# Allegro board HB1A-AAFM.brd (continued)
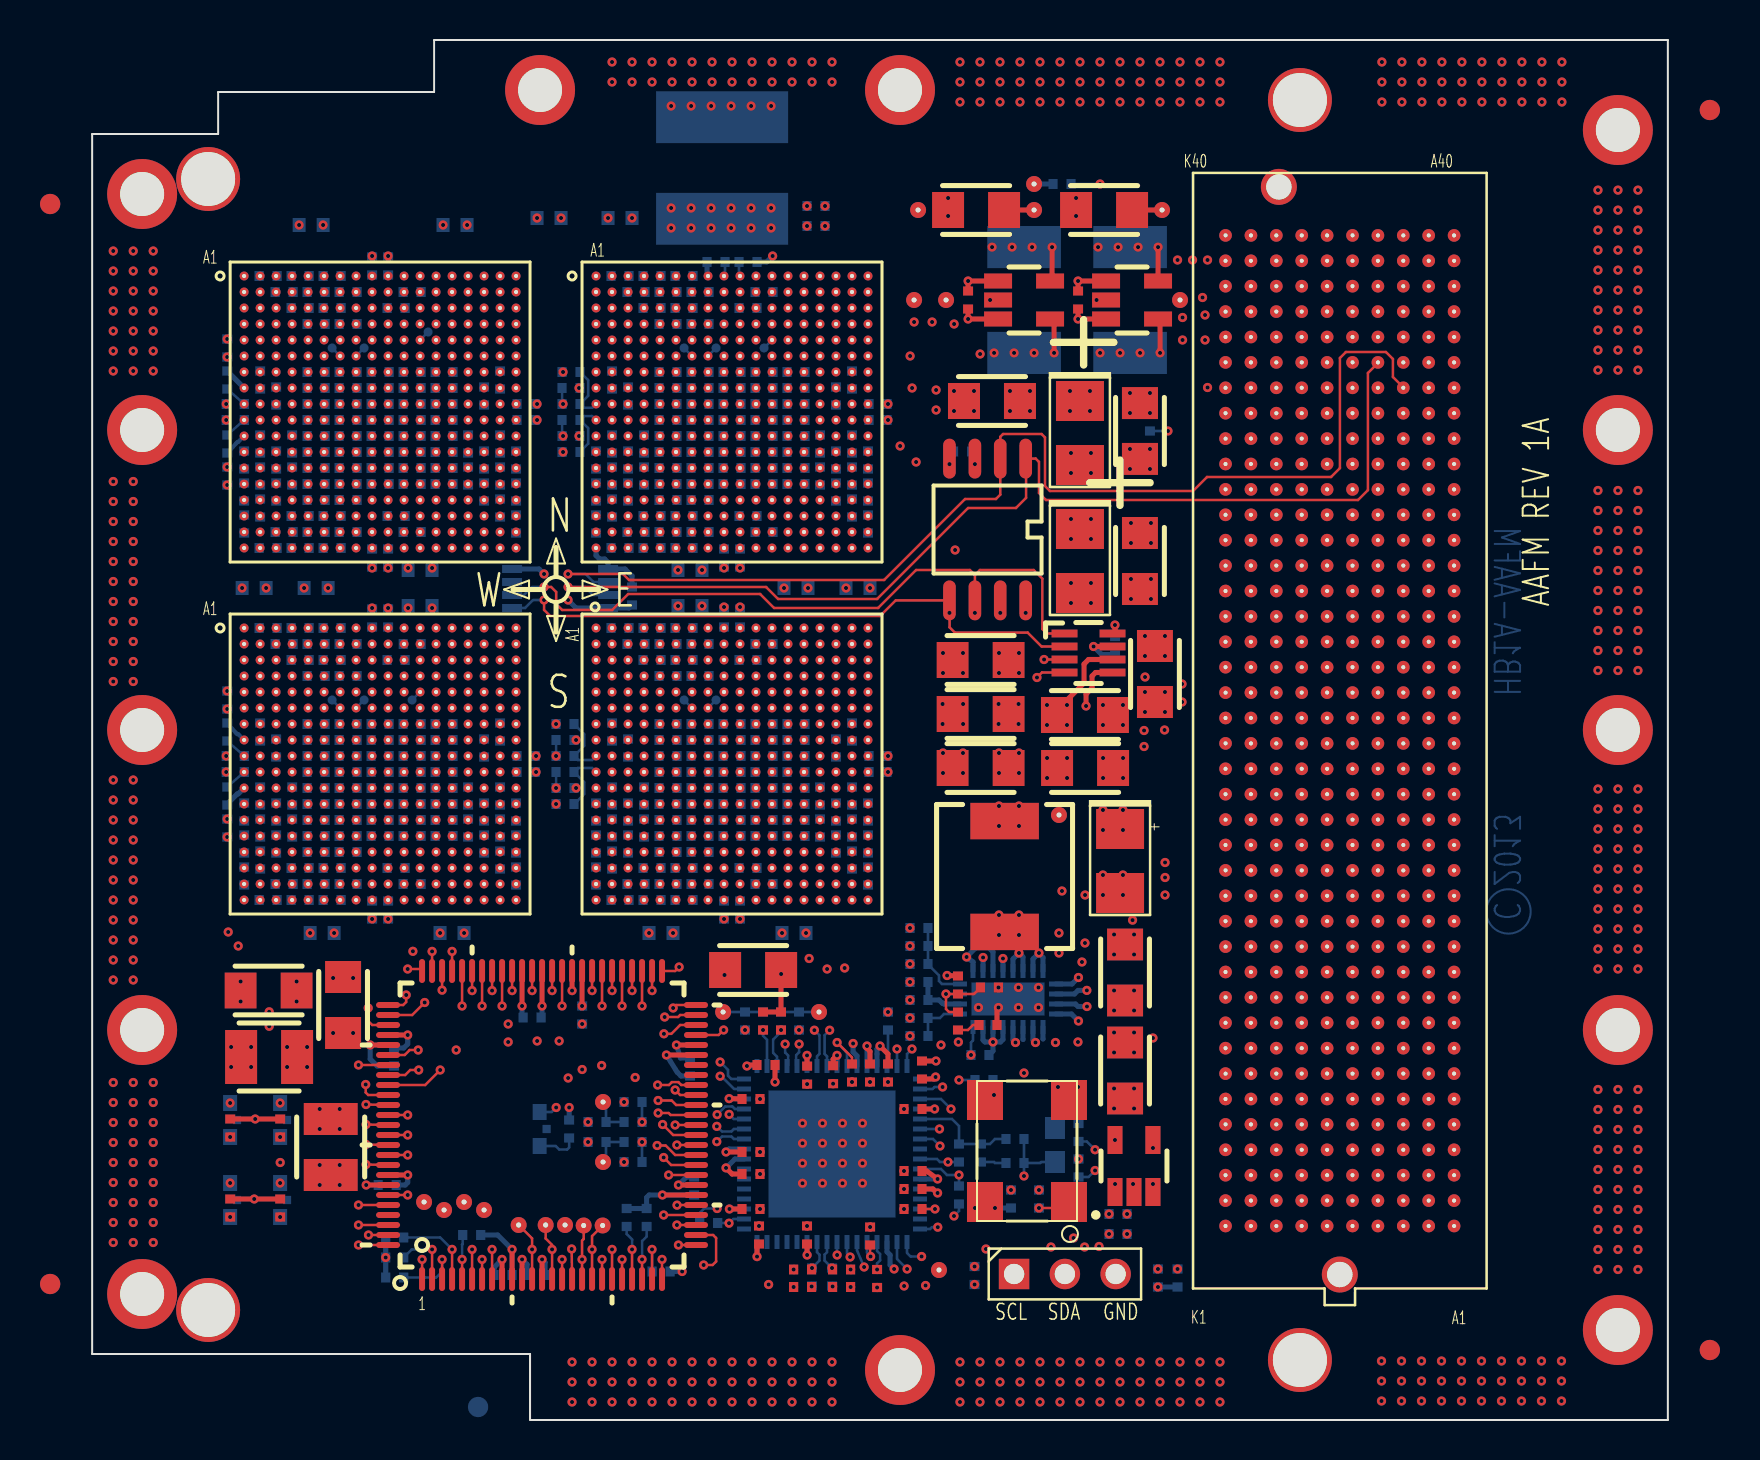
[diagram p0: board, top side]
## Routing (per net, layer and track width the routed paths; a pad name or vN(x,y) marks a point on that pad's centre or on a via; arc(x,y) is an arc through that point) (continued)
  SIGNAL_L15-X w0.114: U4.E4 27.2,53.6 25.8,53.6 25.6,53.4 25.6,46.6 25.4,46.4 25,46.4 24.8,46.6 24.8,51.8 24.6,52 24.1,52 23.94,51.84 23.94,48 24.15,47.79 24.15,44.1 23.58,43.52 22.81,43.52 22.17,44.17 22.17,45.63 21.8,46 U3.R18
UR_UL_WE_DATA_P_5: length 29
  SIGNAL_L15-X w0.114: U4.D3 26.4,54.4 24.9,54.4 24.58,54.08 24.58,53.2 24.4,53.02 23.98,53.02 23.84,53.16 23.84,53.4 24.14,53.71 24.14,56.96 23.7,57.4 23.35,57.4 22.82,56.87 22.82,53.42 22.62,53.22 22.62,51.5 22.92,51.2 22.92,47.28 23.71,46.49 23.71,44.31 23.36,43.96 23,43.96 22.61,44.35 22.61,46.09 21.5,47.2 20.8,47.2 U3.P17
UR_UL_WE_DATA_P_6: length 29.1
  SIGNAL_L15-X w0.114: U3.N16 19.8,48 20,48.2 20,48.6 20.2,48.8 21.6,48.8 21.92,48.48 21.92,48.3 21.79,48.17 21.79,47.92 21.92,47.79 21.92,47.5 22.12,47.3 22.3,47.3 22.48,47.48 22.48,48.51 21.8,49.18 21.8,51.1 21.9,51.2 22.08,51.2 22.18,51.3 22.18,51.55 22.12,51.62 21.89,51.62 21.8,51.7 21.8,52.01 21.9,52.1 22.08,52.1 22.18,52.2 22.18,52.42 22.1,52.5 21.9,52.5 21.8,52.59 21.8,55.85 22,56.05 22.2,56.05 22.3,56.15 22.3,56.35 22.2,56.45 21.9,56.45 21.8,56.55 21.8,56.8 21.91,56.9 22.2,56.9 22.3,57 22.3,57.25 22.2,57.35 21.9,57.35 21.8,57.45 21.8,57.65 21.95,57.8 22.4,57.8 22.62,58.02 22.62,58.59 22.73,58.7 22.9,58.7 23,58.6 23,58 23.08,57.92 23.3,57.92 23.4,58.02 23.4,58.6 23.5,58.7 23.7,58.7 23.8,58.6 23.8,58 23.88,57.92 24.1,57.92 24.2,58.02 24.2,58.6 24.3,58.7 24.49,58.7 24.58,58.62 24.58,55.52 24.9,55.2 25.6,55.2 U4.C2
UR_UL_WE_DATA_P_7: length 29.2
  SIGNAL_L15-X w0.114: U3.M15 18.4,48.8 18.4,50.2 18.6,50.4 20.6,50.4 20.8,50.6 20.8,52.6 20.6,52.8 19.42,52.8 19.2,53.02 19.2,53.4 19.4,53.6 20.6,53.6 20.8,53.8 20.8,54.2 20.6,54.4 19.4,54.4 19.2,54.6 19.2,55 19.4,55.2 20.6,55.2 20.8,55.4 20.8,55.8 20.6,56 19.4,56 19.2,56.2 19.2,57.4 19.85,58.05 19.85,59 20.07,59.22 24.78,59.22 25.03,58.97 25.78,58.97 26.1,58.65 26.1,58.35 25.6,57.85 25.6,56.8 U4.B1
UR_UL_WE_FRAME_N: length 30.7
  SIGNAL_L12-X w0.089: U4.K4 28,50.55 28,50.95 28.25,51.2 28.55,51.2 28.8,51.45 28.8,51.8 29,52 29.4,52 29.6,52.2 29.6,57.5 28.8,58.3 27.55,58.3 26.88,58.97 20.67,58.97 19.57,57.87 18.87,57.87 18.41,57.41 18.41,51.38 18.6,51.2 19,51.2 19.2,51 19.2,49.8 19.4,49.6 19.75,49.6 U3.L17
UR_UL_WE_FRAME_P: length 30.6
  SIGNAL_L8-X w0.089: U4.J4 28,50.4 28.6,50.4 28.8,50.2 28.8,47.4 28.6,47.2 28.2,47.2 28,47 28,46.6 27.8,46.4 27.4,46.4 27.2,46.2 27.2,45.8 27,45.6 26.6,45.6 26.4,45.4 26.4,45 26.2,44.8 25.8,44.8 25.6,44.6 25.6,44.2 25.4,44 25,44 24.65,43.65 24.65,43.45 23.89,42.69 22.81,42.69 21.5,44 21,44 20.8,44.2 20.8,44.6 20.6,44.8 20.2,44.8 20,45 20,45.4 19.8,45.6 19.4,45.6 19.2,45.8 19.2,46.2 19,46.4 18.6,46.4 18.4,46.6 18.4,47 18.2,47.2 17.8,47.2 17.6,47.4 17.6,47.8 17.4,48 17,48 16.8,48.2 16.8,48.6 16.6,48.8 16.2,48.8 16,49 16,49.45 16.15,49.6 20.6,49.6 20.8,49.4 20.8,48.8 U3.M17
UR_UL_WE_LCLK_N: length 29.3
  SIGNAL_L8-X w0.089: U4.G1 25,52 24.8,51.8 24.8,51.45 24.55,51.2 24.55,50.05 25,49.6 25.4,49.6 25.6,49.4 25.6,49 25.8,48.8 27,48.8 27.2,49 27.2,49.4 27.4,49.6 27.8,49.6 28,49.4 28,47.4 27.8,47.2 27.4,47.2 27.2,47 27.2,46.6 27,46.4 26.6,46.4 26.4,46.2 26.4,45.8 26.2,45.6 25.8,45.6 25.6,45.4 25.6,45 25.4,44.8 25,44.8 24.8,44.6 24.8,44.11 23.61,42.92 22.89,42.92 21.6,44.21 21.6,44.6 21.4,44.8 21,44.8 20.8,45 20.8,45.4 20.6,45.6 20.2,45.6 20,45.8 20,46.2 19.8,46.4 19.4,46.4 19.2,46.6 19.2,47 19,47.2 18.6,47.2 18.4,47.4 18.4,47.85 18.55,48 19,48 19.2,48.2 19.2,48.6 19.4,48.8 19.8,48.8 20,48.6 20,48.2 20.2,48 20.8,48 U3.M18
UR_UL_WE_LCLK_P: length 29.2
  SIGNAL_L12-X w0.089: U4.F1 24.85,53.4 24.59,53.66 24.59,56.1 24.48,56.22 24.15,56.22 24.03,56.34 24.03,56.58 24.15,56.7 24.48,56.7 24.59,56.82 24.59,57.3 24.39,57.5 24.25,57.5 24.1,57.35 24.1,57.1 23.96,56.96 23.79,56.96 23.65,57.1 23.65,57.55 23.55,57.65 23.35,57.65 23.25,57.55 23.25,57.05 23.11,56.91 22.9,56.91 22.75,57.06 22.75,57.5 22.6,57.65 22.4,57.65 22.26,57.51 22.26,52.24 23.08,51.42 23.08,49.53 22.79,49.24 22.79,48.23 23.92,47.1 23.92,44.67 23.31,44.06 22.91,44.06 22.76,44.2 22.76,44.2 22.52,44.44 22.52,46.53 21.6,47.45 U3.N18
UR_UL_WE_RD_WAIT_N: length 29.3
  SIGNAL_L8-X w0.089: U4.H2 26.4,52 26.4,52.6 26.2,52.8 25.8,52.8 25.6,53 25.6,53.4 25.8,53.6 26.2,53.6 26.4,53.8 26.4,54.2 26.2,54.4 25.8,54.4 25.6,54.6 25.6,55 25.8,55.2 26.15,55.2 26.4,55.45 26.4,55.8 26.2,56 25.8,56 25.6,56.2 25.6,56.6 25.8,56.8 26.2,56.8 26.4,57 26.4,57.4 26.15,57.65 25.66,57.65 25.44,57.87 25.09,57.87 24.43,58.53 19.82,58.53 19.14,57.86 18.81,57.86 18.4,57.45 18.4,57 18.6,56.8 19,56.8 19.2,56.6 19.2,56.2 19,56 18.6,56 18.4,55.8 18.4,55.4 18.6,55.2 19,55.2 19.2,55 19.2,54.6 19,54.4 18.6,54.4 18.4,54.2 18.4,52.2 18.6,52 19,52 19.2,51.8 19.2,51.4 19.4,51.2 19.8,51.2 20,51 20,50.55 20.14,50.41 20.31,50.41 20.4,50.5 U3.J17
UR_UL_WE_RD_WAIT_P: length 29.3
  SIGNAL_L12-X w0.089: U3.K17 20.8,50.4 21.4,50.4 21.6,50.6 21.6,51 21.4,51.2 21,51.2 20.8,51.4 20.8,52.65 20.95,52.8 21.45,52.8 21.6,52.95 21.6,53.45 21.45,53.6 20.95,53.6 20.8,53.75 20.8,54.25 20.95,54.4 21.45,54.4 21.6,54.55 21.6,55.05 21.45,55.2 20.95,55.2 20.8,55.35 20.8,55.85 20.95,56 21.45,56 21.6,56.15 21.6,56.65 21.45,56.8 21,56.8 20.8,57 20.8,57.4 21.05,57.65 21.4,57.65 22.06,58.31 24.64,58.31 25.05,57.9 25.25,57.9 25.4,58.05 25.4,58.2 25.5,58.3 25.7,58.3 25.85,58.15 25.85,57.7 25.95,57.6 26.2,57.6 26.3,57.7 26.3,57.95 26.5,58.15 26.65,58.15 27.2,57.6 27.2,56.95 27.05,56.8 26.55,56.8 26.4,56.65 26.4,56.15 26.55,56 27.05,56 27.2,55.85 27.2,55.35 27.05,55.2 26.55,55.2 26.4,55.05 26.4,54.55 26.55,54.4 27.05,54.4 27.2,54.25 27.2,53.8 27,53.6 26.6,53.6 26.4,53.4 26.4,53 26.2,52.8 U4.G2
UR_UL_WE_WR_WAIT_N: length 29.1
  SIGNAL_L12-X w0.089: U3.K16 20,50.4 20,51 19.8,51.2 19.4,51.2 19.2,51.4 19.2,57.4 19.45,57.65 19.94,57.65 20.16,57.87 20.65,57.87 20.87,58.09 21.22,58.09 21.88,58.75 26.67,58.75 27.35,58.08 28.17,58.08 28.8,57.45 28.8,57 28.6,56.8 28.2,56.8 28,56.6 28,56.2 28.2,56 28.6,56 28.8,55.8 28.8,55.4 28.6,55.2 28.2,55.2 28,55 28,54.6 28.2,54.4 28.6,54.4 28.8,54.2 28.8,52.2 28.6,52 28.2,52 28,51.8 28,51.4 27.8,51.2 27.4,51.2 27.2,51 U4.J3
UR_UL_WE_WR_WAIT_P: length 29.3
  SIGNAL_L5-X w0.114: U3.L16 19.2,49.75 19.2,52.6 19,52.8 18.6,52.8 18.4,53 18.4,57.4 19.15,58.15 19.15,58.71 19.85,59.41 21,59.41 21.25,59.66 26.59,59.66 27.5,58.75 28.05,58.75 28.8,58 28.8,52.2 28.6,52 27.4,52 27.2,51.8 U4.H3
UR_XID3: length 66.6
  TOP w0.127: U9.68 v1(20,21.47)
  SIGNAL_L4-Y w0.114: v1(41.2,47.9) 41.2,47.1 41.67,46.63 41.67,26.67 39.91,24.9 39.8,24.8 39.8,22.5 38.95,21.64 30.95,21.64 30.58,21.27 29.15,21.27 27.03,19.15 23.8,19.15 23.53,19.43 21.93,19.43 21.83,19.32 20.33,19.32 20,19.66 v1(20,21.47)
  SIGNAL_L8-X w0.089: v1(41.2,47.9) 40.48,47.9 39.58,48.8 32.2,48.8 32,49 32,49.4 31.8,49.6 31.4,49.6 31.2,49.8 31.2,50.2 31,50.4 30.6,50.4 30.4,50.6 30.4,53.6 30,54 U4.E7
UR_YID3: length 79.3
  TOP w0.127: U9.72 v1(18,23.43)
  SIGNAL_L4-Y w0.114: v1(42.2,51.5) 42.7,51 42.7,49.83 43.28,49.25 43.28,46.98 42.7,46.4 42.7,41.3 43.41,40.6 43.41,40.1 43.98,39.52 43.98,32.23 43.7,31.95 43.7,31.2 43.1,30.6 43.1,25.8 42.3,25 42.3,21.6 41.2,20.5 40.5,20.5 39.83,19.82 39.83,18.2 39.16,17.52 34.05,17.52 33.03,16.5 30.35,16.5 29.71,17.14 28.09,17.14 27.1,18.12 24.48,18.12 23.95,17.6 18.23,17.6 17.53,18.3 17.53,20.3 17.85,20.62 17.85,21.13 18,21.27 v1(18,23.43)
  SIGNAL_L5-X w0.114: v1(42.2,51.5) 41.53,51.5 41.23,51.2 36.2,51.2 36,51.4 36,51.8 35.8,52 32.2,52 32,52.2 32,52.8 31.6,53.2 U4.F9
XCPLD_CLK: length 1.4
  BOTTOM w0.127: R79.1 31.84,9.85 v1(31.85,9.84) 32.06,10.05 U12.34
XFMC_CLK_N: length 1.5
  BOTTOM w0.127: U12.26 36.25,8.39 36.37,8.27 36.37,7.97 v1(36,7.6)
XFMC_CLK_P: length 1.5
  BOTTOM w0.127: U12.25 36.75,8.39 36.63,8.27 36.63,7.97 v1(37,7.6)
XLEFT_CCLK_N: length 1.9
  BOTTOM w0.127: v1(33.55,19.5) 33.55,19.21 33.75,19.01 U12.50
XLEFT_CCLK_P: length 2
  BOTTOM w0.127: U12.51 34.25,18.16 34.05,18.36 34.05,19.02 34.45,19.41 v1(34.45,19.5)
XLL_CCLK_N: length 51
  SIGNAL_L5-X w0.089: v1(6.7,32.4) 6.7,31.3 6.75,31.25 v1(6.75,30.05)
  SIGNAL_L8-X w0.076: v1(6.7,32.4) 6.41,32.7 6.08,32.7 4.93,31.55 4.93,23.52 6.18,22.27 6.18,20.52 6.55,20.15 8.59,20.15 v1(8.85,20.41)
  SIGNAL_L15-X w0.089: v1(8.85,20.41) 9.12,20.15 13.67,20.15 15.03,18.79 15.03,17.29 15.94,16.38 24.49,16.38 24.95,16.83 25.64,16.83 26.55,17.73 29.12,17.73 30.02,18.63 33.47,18.63 34.06,18.03 34.8,18.03 34.9,18.14 34.9,18.55 v1(34.66,18.8)
  BOTTOM w0.127: U12.52 34.8,17.76 34.8,18.23 34.66,18.38 v1(34.66,18.8)
XLL_CCLK_P: length 52
  SIGNAL_L5-X w0.089: v1(6.75,35.55) 6.75,34.42 6.7,34.38 v1(6.7,33.2)
  SIGNAL_L8-X w0.076: v1(6.7,33.2) 6.41,32.9 5.99,32.9 4.73,31.64 4.73,23.44 5.98,22.19 5.98,20.44 6.47,19.95 8.59,19.95 v1(8.85,19.69)
  SIGNAL_L15-X w0.089: v1(8.85,19.69) 9.12,19.95 13.58,19.95 14.83,18.7 14.83,17.2 15.85,16.18 24.58,16.18 25.03,16.62 25.73,16.62 26.63,17.52 29.2,17.52 30.1,18.43 33.38,18.43 33.98,17.82 34.88,17.82 35.11,18.05 35.11,18.55 v1(35.35,18.8)
  BOTTOM w0.127: v1(35.35,18.8) 35.35,18.39 35.2,18.24 35.2,17.74 U12.53
XLR_CCLK_N: length 25.2
  SIGNAL_L14-Y w0.089: v1(23.2,31.6) 23.2,32.2 23.1,32.3 23.01,32.3 22.61,31.9 22.61,26.18 26.32,22.48 28.38,22.48 28.73,22.12 29.6,22.12 30.21,21.52 30.21,17.18 31.66,15.73 31.66,15.48 v1(31.85,15.28)
  BOTTOM w0.127: v1(31.85,15.28) 32.08,15.05 U12.44 ; R168.1 v1(23.2,31.6)
XLR_CCLK_P: length 26.3
  SIGNAL_L14-Y w0.089: v1(31.25,15.27) 31.45,15.47 31.45,15.65 30,17.1 30,21.44 29.52,21.92 28.64,21.92 28.3,22.27 26.23,22.27 22.41,26.1 22.41,31.98 22.92,32.5 23.1,32.5 23.2,32.6 v1(23.2,33.2)
  BOTTOM w0.127: R166.1 v1(23.2,33.2) ; U12.45 32.14,15.55 32.02,15.67 31.66,15.67 v1(31.25,15.27)
XRIGHT_CCLK_N: length 6.8
  SIGNAL_L5-X w0.089: v1(27.5,13.9) 27.5,14.18 27.59,14.28 28.12,14.28 28.26,14.13 29.96,14.13 30.02,14.2 30.96,14.2 v1(31.24,13.92)
  BOTTOM w0.127: v1(31.24,13.92) 31.24,13.92 31.5,14.17 31.97,14.17 32.09,14.05 U12.42 ; R132.1 v1(27.5,13.9)
XRIGHT_CCLK_P: length 6.8
  SIGNAL_L5-X w0.089: v1(27.5,14.9) 27.5,14.56 27.58,14.48 28.2,14.48 28.33,14.35 29.88,14.35 29.88,14.35 29.94,14.4 30.96,14.4 v1(31.24,14.68)
  BOTTOM w0.127: v1(31.24,14.68) 31.24,14.68 31.5,14.43 31.97,14.43 32.09,14.55 U12.43 ; R129.1 v1(27.5,14.9)
XUL_CCLK_N: length 75.4
  SIGNAL_L5-X w0.089: v1(6.75,47.65) 6.75,48.85 6.7,48.9 v1(6.7,50)
  SIGNAL_L8-X w0.076: v1(6.7,50) 6.41,50.3 5.98,50.3 5.7,50.02 5.7,48.1 3.93,46.33 3.93,37.17 5.4,35.7 5.4,33.3 3.95,31.85 3.95,23.12 5.4,21.68 5.4,17.44 6.21,16.63 9.96,16.63 10.19,16.4 24.37,16.4 24.97,17 25.95,17 26.95,18 27.96,18 28.37,17.6 30.01,17.6 30.89,16.73 32.7,16.73 33.49,17.53 35.8,17.53 36.4,18.13 36.4,19.21 v1(36.12,19.49)
  BOTTOM w0.127: U12.55 36.25,18.18 36.37,18.3 36.37,19.23 v1(36.12,19.49)
XUL_CCLK_P: length 76.4
  SIGNAL_L5-X w0.089: v1(6.75,53.15) 6.75,51.95 6.7,51.9 v1(6.7,50.8)
  SIGNAL_L8-X w0.076: v1(6.7,50.8) 6.41,50.5 5.89,50.5 5.5,50.11 5.5,48.19 3.73,46.41 3.73,37.08 5.2,35.62 5.2,33.38 3.75,31.94 3.75,23.04 5.2,21.6 5.2,17.36 6.13,16.43 9.88,16.43 10.11,16.2 24.45,16.2 25.05,16.8 26.03,16.8 27.03,17.8 27.88,17.8 28.28,17.4 29.93,17.4 30.8,16.52 32.78,16.52 33.58,17.32 35.88,17.32 36.6,18.05 36.6,19.21 v1(36.88,19.49)
  BOTTOM w0.127: v1(36.88,19.49) 36.63,19.23 36.63,18.3 36.75,18.18 U12.56
XUR_CCLK_N: length 43.3
  SIGNAL_L14-Y w0.089: v1(23.55,49.2) 23.55,49.8 23.45,49.9 23.09,49.9 22.91,49.72 22.91,43.91 23.2,43.62 23.2,36.1 24.8,34.5 24.8,25.6 25.7,24.7 26.79,24.7 28.19,23.3 31.69,23.3 32.27,22.72 32.27,17.68 31.99,17.4 31.61,17.4 v1(31.4,17.19)
  BOTTOM w0.127: U12.47 32.1,16.55 31.46,17.19 v1(31.4,17.19) ; R163.1 R162.1
XUR_CCLK_P: length 43.6
  SIGNAL_L14-Y w0.089: v1(31.4,17.9) 31.7,17.6 31.9,17.6 32.07,17.76 32.07,22.64 31.6,23.1 28.1,23.1 26.71,24.5 25.62,24.5 24.6,25.52 24.6,34.41 23,36.02 23,43.53 22.7,43.83 22.7,49.8 23.01,50.1 23.45,50.1 23.55,50.2 v1(23.55,50.8)
  BOTTOM w0.127: v1(31.4,17.9) 31.8,17.51 31.8,17.22 31.96,17.05 U12.48 ; R161.1 R160.1
N00769: length 6.6
  BOTTOM w0.254: U11.13 47.55,19.05 47.55,19.05 ; U11.6 46.55,23.15 v1(46.35,23.35) 46.05,23.05 U11.5 ; v1(47.17,18.88) 47.05,19 U11.14 ; 47.55,23.12 47.55,23.12 U11.8 ; v1(47.35,23.35) 47.05,23.05 U11.7 ; 46.55,19.02 46.55,19.03 U11.15 ; U11.16 46.05,19 v1(46.17,18.88)
  vias: v1(45.35,25.25) v1(45.35,24.25) v1(46.35,25.25) v1(46.35,24.25) v1(48.17,18.88) v1(48.35,24.35) v1(48.35,23.35)
N01187: length 2.6
  BOTTOM w0.254: R30.2 R31.1 42.35,21 42.51,20.84 42.56,20.84 42.6,20.8 U11.22
N01900: length 2.6
  BOTTOM w0.127: R33.2 R32.1 42.4,20.1 42.6,20.3 U11.21
N05055: length 1.2
  TOP w0.127: R5.1 43.8,19.5 44.05,19.75 C21.1
N141577: length 12.1
  SIGNAL_L4-Y w0.114: v1(53.8,49.45) 55.03,50.68 55.03,56.62 55.7,57.3 57.29,57.3 P1.J39
  BOTTOM w0.127: R17.1 v1(53.8,49.45)
N141587: length 8.8
  SIGNAL_L14-Y w0.114: v1(50.41,61.8) 54.11,61.8 P1.K40
  BOTTOM w0.127: R18.1 v1(50.41,61.8)
N6723338:
  vias: v1(6.9,14.15)
N6723342:
  vias: v1(9.4,14.15)
N6723346:
  vias: v1(6.9,10.15)
N6723350:
  vias: v1(9.4,10.15)
N6723354: length 2.1
  BOTTOM w0.127: R9.2 23.85,13.62 23.75,13.53 23.35,13.53 23.18,13.7 D2.A
N6949474: length 5.4
  BOTTOM w0.127: C44.1 45.15,14.05 44.9,13.8 R23.1 R26.1 43.35,14.7 43,15.05 U12.5
N6949484: length 5.5
  SIGNAL_L4-Y w0.114: v1(43.1,10.2) 43.1,11.05 42.8,11.35 v1(42.8,12.9)
  BOTTOM w0.127: C48.1 43.35,10.45 v1(43.1,10.2) ; R26.2 v1(42.8,12.9) 42.4,12.9 42.25,13.05 U12.9
N6949518: length 9.3
  SIGNAL_L8-X w0.089: v1(46.6,12.2) 44.45,12.2 44.4,12.25 v1(43.35,12.25)
  BOTTOM w0.127: C44.2 C45.2 ; C45.2 47.41,12.85 47.46,12.9 C43.1 ; C45.2 v1(46.6,12.2) ; U12.10 42.45,12.55 42.75,12.25 v1(43.35,12.25) C48.2 43.33,11.7
N6949746: length 1.3
  BOTTOM w0.127: R23.2 45.1,12.9 45.15,12.85 C45.1
N6950148: length 1.4
  TOP w0.127: v1(42.15,10.55) C38.2
  BOTTOM w0.127: U12.14 v1(42.15,10.55)
N6950180: length 1.6
  TOP w0.127: X1.1 48.55,10.6 v1(47.35,10.6)
N6950262: length 2.8
  TOP w0.127: R7.1 38,18.13 v1(37.25,18.88)
  BOTTOM w0.127: v1(37.25,18.88) 37.75,18.35 U12.58
N6950266: length 1.8
  BOTTOM w0.127: U12.62 39.75,18.18 39.8,18.23 R34.1
N6964358: length 8.6
  SIGNAL_L11-Y w0.089: v1(42.38,14.55) 42.35,14.55 41.7,13.9 41.7,9.3 42.35,8.66 TP8.1
  BOTTOM w0.127: U12.6 v1(42.38,14.55)
N6985801: length 1.4
  TOP w0.127: v1(38.93,8.18) 38.91,8.2 R295.2
  BOTTOM w0.127: v1(38.93,8.18) 38.75,8.36 U12.21
N6985805: length 1.5
  BOTTOM w0.127: U12.20 39.25,8.46 39.41,8.3 39.41,7.98 39.25,7.83 39.25,7.53 v1(39.25,7.53)
N69496142: length 0.8
  BOTTOM w0.127: R22.1 45.1,16.95 v1(45.1,16.25)

## Copper pours and planes (outline as drawn; the poured copper is in the pictures)
GND on GND_L3, GND_L9, GND_L13, GND_L16: 5.41,58.9 5.41,8.5 9.1,8.5 9.1,5.4 73.41,5.4 73.41,63.6 8.8,63.6 8.8,58.9
GND_EARTH on TOP: 22.2,0.3 22.2,3.6 0.3,3.6 0.3,64 6.6,64 6.6,66.1 17.4,66.1 17.4,68.7 78.5,68.7 78.5,0.3 ; 1 cut-out
GND_EARTH on BOTTOM: 78.5,68.7 78.5,0.3 22.2,0.3 22.2,3.6 0.3,3.6 0.3,64 6.6,64 6.6,66.1 17.4,66.1 17.4,68.7 ; 1 cut-out
GND_EARTH on GND_L3, GND_L9, GND_L13, GND_L16: 0.8,17.1 0.8,8.6 3.3,8.6 3.3,17.1
GND_EARTH on GND_L3, GND_L9, GND_L13, GND_L16: 75,16.8 75,7.3 77.6,7.3 77.6,16.8
GND_EARTH on GND_L3, GND_L9, GND_L13, GND_L16: 75,31.9 75,22.3 77.6,22.3 77.6,31.9
GND_EARTH on GND_L3, GND_L9, GND_L13, GND_L16: 43.1,3.2 43.1,0.7 56.7,0.7 56.7,3.2
GND_EARTH on GND_L3, GND_L9, GND_L13, GND_L16: 75,61.8 75,52.3 77.5,52.3 77.5,61.8
GND_EARTH on GND_L3, GND_L9, GND_L13, GND_L16: 73.8,68.2 73.8,65.7 64.2,65.7 64.2,68.2
GND_EARTH on GND_L3, GND_L9, GND_L13, GND_L16: 23.7,3.2 23.7,0.6 37.3,0.6 37.3,3.2
GND_EARTH on GND_L3, GND_L9, GND_L13, GND_L16: 64.2,3.2 64.2,0.7 73.7,0.7 73.7,3.2
GND_EARTH on GND_L3, GND_L9, GND_L13, GND_L16: 0.8,47.2 0.8,36.7 2.3,36.7 2.3,47.2
GND_EARTH on GND_L3, GND_L9, GND_L13, GND_L16: 0.8,32.3 0.8,21.8 2.3,21.8 2.3,32.3
GND_EARTH on GND_L3, GND_L9, GND_L13, GND_L16: 56.7,68.2 56.7,65.6 43.1,65.6 43.1,68.2
GND_EARTH on GND_L3, GND_L9, GND_L13, GND_L16: 75,46.8 75,37.3 77.6,37.3 77.6,46.8
GND_EARTH on GND_L3, GND_L9, GND_L13, GND_L16: 25.6,68.2 25.6,66.6 37.3,66.6 37.3,68.2
GND_EARTH on GND_L3, GND_L9, GND_L13, GND_L16: 0.8,58.8 0.8,52.2 3.3,52.2 3.3,58.8
P1V0 on TOP: 49.8,59 49.8,57.8 52.7,57.8 52.7,56.9 53.6,56.9 53.6,59
P1V0 on TOP: 51.2,60.6 51.2,58.4 52.7,58.4 52.7,60.6
P1V0 on PWR_L10: 5.41,58.9 5.41,8.5 9.1,8.5 9.1,5.4 73.41,5.4 73.41,63.6 8.8,63.6 8.8,58.9
P1V0_LOC on PWR_L17: 42.7,57.5 42.7,25.1 40.2,25.1 40.2,21.45 41.2,21.45 41.35,21.3 41.35,18.05 54.6,18.05 54.6,20.8 54.6,57.5
P2V5 on TOP: 44.7,59 44.7,57.8 47.3,57.8 47.3,57 48.3,57 48.3,59
P2V5 on TOP: 44.7,60.6 44.7,58.4 46.3,58.4 46.3,60.6
P2V5 on PWR_L17: 5.41,58.9 5.41,8.5 9.1,8.5 9.1,5.4 73.41,5.4 73.41,63.6 8.8,63.6 8.8,58.9
P3V3 on P3V3_L6: 5.41,58.9 5.41,8.5 9.1,8.5 9.1,5.4 73.41,5.4 73.41,63.6 8.8,63.6 8.8,58.9
P3V3_AUX on TOP: 50.75,40.2 50.75,39.4 53.9,39.4 53.9,40.2
P3V3_AUX on PWR_L2: 22.1,43.4 22.1,39.8 40.45,39.8 40.45,37.05 66.1,37.1 66.1,53.85 54.85,53.8 54.85,49.55 40.6,49.55 40.6,43.4
PVADJ on PWR_L2: 9.1,5.4 9.1,9.1 5.41,9.1 5.41,58.9 8.8,58.9 8.8,63.6 73.41,63.6 73.41,5.4
N00769 on TOP: 45.92,24.8 45.92,17.85 48.77,17.85 48.77,24.8
N00769 on BOTTOM: 45.92,19.12 45.92,18.3 48.75,18.3 48.75,19.12
N00769 on BOTTOM: 45.92,24.65 45.92,23.02 48.62,23.02 48.62,24.65

## Text on the board
BOTTOM: HB1A-AAFM | C 2013 | BTM SIDE / LAYER 18 OF 18
Board Geometry/Soldermask Bottom: SOLDER MASK / BTM SIDE
Ref Des/Silkscreen Bottom: 3.3V | See Note: 21 on Fab Dwg | NW | SW | SE | NE | M | GCLK0 | R_CCLK_N | FLAG | LR | L_CCLK_P | CLK | STATUS | VCORE | FLAGS | VSS | VDD | FLG | GCLK1 | R_CCLK_P | L_CCLK_N | VIO(A) | VCORE(A) | GND | VIO | VIO IN | IN | UL RST_N | UR RST_N | LL RST_N | LR RST_N | LOCK | SILKSCREEN / BTM SIDE
User.Comments: FULL | 1  OF  1 | 18  VIA FILL Required | 1.60 | Scale - NONE | Detail A | Degrees | 30 | 0.60 | (Both Sides) | C | 0 | FABRICATION DRAWING
TOP: TOP SIDE / LAYER 1 OF 18
Board Geometry/Soldermask Top: SOLDER MASK / TOP SIDE
Ref Des/Silkscreen Top: K40 | K1 | A40 | A1 | SCL | SDA | GND | AAFM REV 1A | W | S | N | E | SILKSCREEN / TOP SIDE
PWR_L2: PWR PLANE / LAYER 2 OF 18
GND_L3: GND PLANE / LAYER 3 OF 18
SIGNAL_L4-Y: INNER SIGNAL / LAYER 4 OF 18
SIGNAL_L5-X: INNER SIGNAL / LAYER 5 OF 18
P3V3_L6: PWR PLANE / LAYER 6 OF 18
SIGNAL_L7-Y: INNER SIGNAL / LAYER 7 OF 18
SIGNAL_L8-X: INNER SIGNAL / LAYER 8 OF 18
GND_L9: GND PLANE / LAYER 9 OF 18
PWR_L10: PWR PLANE / LAYER 10 OF 18
SIGNAL_L11-Y: INNER SIGNAL / LAYER 11 OF 18
SIGNAL_L12-X: INNER SIGNAL / LAYER 12 OF 18
GND_L13: GND PLANE / LAYER 13 OF 18
SIGNAL_L14-Y: INNER SIGNAL / LAYER 14 OF 18
SIGNAL_L15-X: INNER SIGNAL / LAYER 15 OF 18
GND_L16: GND PLANE / LAYER 16 OF 18
PWR_L17: PWR PLANE / LAYER 17 OF 18
DIMENSION: (SEE DETAIL 'A') | V-Score (2 PLCS)
PAGE_OUTLINE: UNLESS OTHERWISE SPECIFIED | DIMENSIONS ARE IN mm | TOLERANCES ON; | 2 PL DECIMALS +/-.25mm | 3 PL DECIMALS +/-.125mm | ANGLES + | FRACTIONS + | DRAWN | CHECKED | ENGRG | ISSUED | SIGNATURES | HJS | EC | W.SORTWELL | 03/12/13 | DATE | SCALE - | SIZE | FSCM NO | DWG NO | SHEET | DWG REV | REV | 0  INITIAL RELEASE OF AAFM REV 1A PROTO      03/12/13    WTS | DESCRIPTION | REVISIONS | APPROVED | 9 HILLS AVENUE, CONCORD, NH 03301 | HB1A-AAFM | D | C | B | A | 4 | 3 | 2
BODY_CENTER: BITTWARE INC. HB1A-AAFM Mar. 2013
SOLDER_PASTE_TOP: SOLDER PASTE / TOP SIDE
User.5: SOLDER PASTE / BTM SIDE
User.8: Top Side     / Layer 1 of 18 | Pwr Plane    / Layer 2 of 18 | Gnd Plane    / Layer 3 of 18 | Inner Signal / Layer 4 of 18 | Inner Signal / Layer 5 of 18 | Pwr Plane    / Layer 6 of 18 | Inner Signal / Layer 7 of 18 | Inner Signal / Layer 8 of 18 | Gnd Plane    / Layer 9 of 18 | Pwr Plane    / Layer 10 of 18 | Inner Signal / Layer 11 of 18 | Inner Signal / Layer 12 of 18 | Pwr Plane    / Layer 13 of 18 | Inner Signal / Layer 14 of 18 | Inner Signal / Layer 15 of 18 | Gnd Plane    / Layer 16 of 18 | Pwr Plane    / Layer 17 of 18 | Btm Side     / Layer 18 of 18 | 21. Silkscreen Reference Designations outside of pcb outline are intentional and are not | 22. Pads for non-plated holes may be removed off external layers.  To qualify as non-plated | 23. PCB test requirements per IPC-9252-A level B. | 10. Silkscreen both sides of board (non-conductive white epoxy ink). | 11. Minimum conductor to conductor spacing: .100mm. | 12. Front to back registration shall be within +/-.125mm. | 13. All holes to be plated through unless otherwise noted. | 14. PCB stackup shall yield 50 OHM single ended and 100 OHM differential impedance. | 15. CAM department shall add "teardrops" at the intersection of vias and traces on | 16. Electrical test is required. IPC netlist for design is included in the zip file. | 17. Non-Functional pads may be removed from internal layers. | 18. This board uses via in pad technology. Vias shall be filled with non-conductive | 19. All dimensions are in millimeters (mm). | 20. Tolerances: .XX=+/-0.25mm  .XXX=+/-0.125mm. | 6. Copper thickness on external layers to be 0.5 oz plus plating. | 7. Copper thickness on internal layers (unless otherwise noted) to be 0.5oz. | 8  PCB finish to be ENIG, per IPC-4552 requirements. | 9  Finish to be Soldermask over Gold; LPI. | 1. This board to be built to IPC pwb Class-3 with exception for via annular ring requirements. | 2. Pcb flatness per IPC-TM-650. | 3. Printed Circuit Board shall comply with ANSI/IPC-A-600G Quality. | 4. Bow and twist shall comply with ANSI/IPC-MIL-950 Class A standard. | 5. Material: Isola FR408-HR, 1.6mm thick +/-10%. | NOTES: | intended to be on the finished pcb. | and compatible with, Pb-free assembly processing temperatures | All laminate materials used on this PWB must be formally qualified for, | PCB is 18 layers. See HB1A-AAFM_stkup.pdf for stackup details. | Remove all silkscreen data on bare copper. | See hole chart for non-conductive via fill requirements. | Acceptable impedance tolerance to be 10%. See HB1A-AAFM-stkup.pdf for precise | trace widths and dielectric thicknesses. | internal signal layers for traces less than or equal to .125mm wide. | (Filename ext: IPC) | epoxy fill and capped over with 0.0007" conductive copper plating. | See hole chart for hole size fill requirements, Freestanding vias (not in pads) | to be masked over with solder mask on both sides. | there must be no connection to the pad on any electrical layer. | IPC 6012 wrap requirements must be met. | PCB STACKUP P/N HB1A-AAFM
User.14: 2X | 1  OF  2 | 6  See Note 6. | (2 PLCS.) | facilities with an active ESD program compliant to ANSI/ESD S20.20 | Once approved, all repairs shall be performed per IPC-7721. | devices at all times. Use of slotted vertical racks where boards are | stored on one edge is strictly prohibited. | per IPC/JEDEC J-STD-033 requirements. | replacement cycles. No locations shall be reworked more than 3 times. | used for "no clean" soldering. All other fluxes must be removed through | a capable and effective board wash process. | 10. All Moisture Sensitive Devices (MSD) must be handled, and assembled | 11. Board repair is strictly forbidden without prior approval from Bittware. | 12. All board manufacturing, assembly, and test shall be restricted to | forbidden unless followed by cleaning in a board wash process. | NOTES: | 1. All workmanship to conform to IPC-A-610 Class 2 acceptance criteria | except where in conflict with, and when required to conform to, J-STD-001. | 2. Product to be assembled per J-STD-001 Class 2 requirements. | 3. Only solder paste and fluxes with a L0 J-STD-001 classification can be | 4. All flux residues for M and H rated fluxes including water-soluble fluxes | must be removed through a capable and effective board wash process. | Localized cleaning of M and H rated and water-soluble fluxes is strictly | 5. Label board per BittWare specifications. | 6   Remove breakaway tabs and/or separate boards per BittWare | specifications. | 9.  Boards must be handled and transported flat on trays, protecting fragile | 7.  All rework to be performed per IPC-7711 requirements. | 8.  Component rework (by reference designator) is limited to 3 removal / | 1A | Viewed From Top Side | C | ASM -Top Side | 0
User.15: FIGURE | SIZE | 0.203 | 0.254 | 1.016 | 2.2 | 2.7 | 1.27 | DRILL CHART: TOP to BOTTOM | ALL UNITS ARE IN MILLIMETERS | TOLERANCE | +0.0/-0.203 | +0.0/-0.254 | +0.076/-0.076 | +0.1/-0.1 | PLATED | NON-PLATED | QTY | 2748 | 22 | 3 | 13 | 4 | 2
User.16: 2X | 2  OF  2 | VIEWED FROM BOTTOM SIDE | C | ASM -Btm Side | 0
User.17: VSS | M | VDD | FLG | NW | SW | SE | NE | R_CCLK_N | L_CCLK_P | 3.3V | GND | CLK | STATUS | VIO | VIO IN | IN | VCORE | FLAGS | GCLK0 | GCLK1 | FLAG | R_CCLK_P | LR | L_CCLK_N | VIO)A) | VCORE(A) | UL RST_N | UR RST_N | LL RST_N | LR RST_N
